# Allegro board LAY-27392_C.brd (continued)
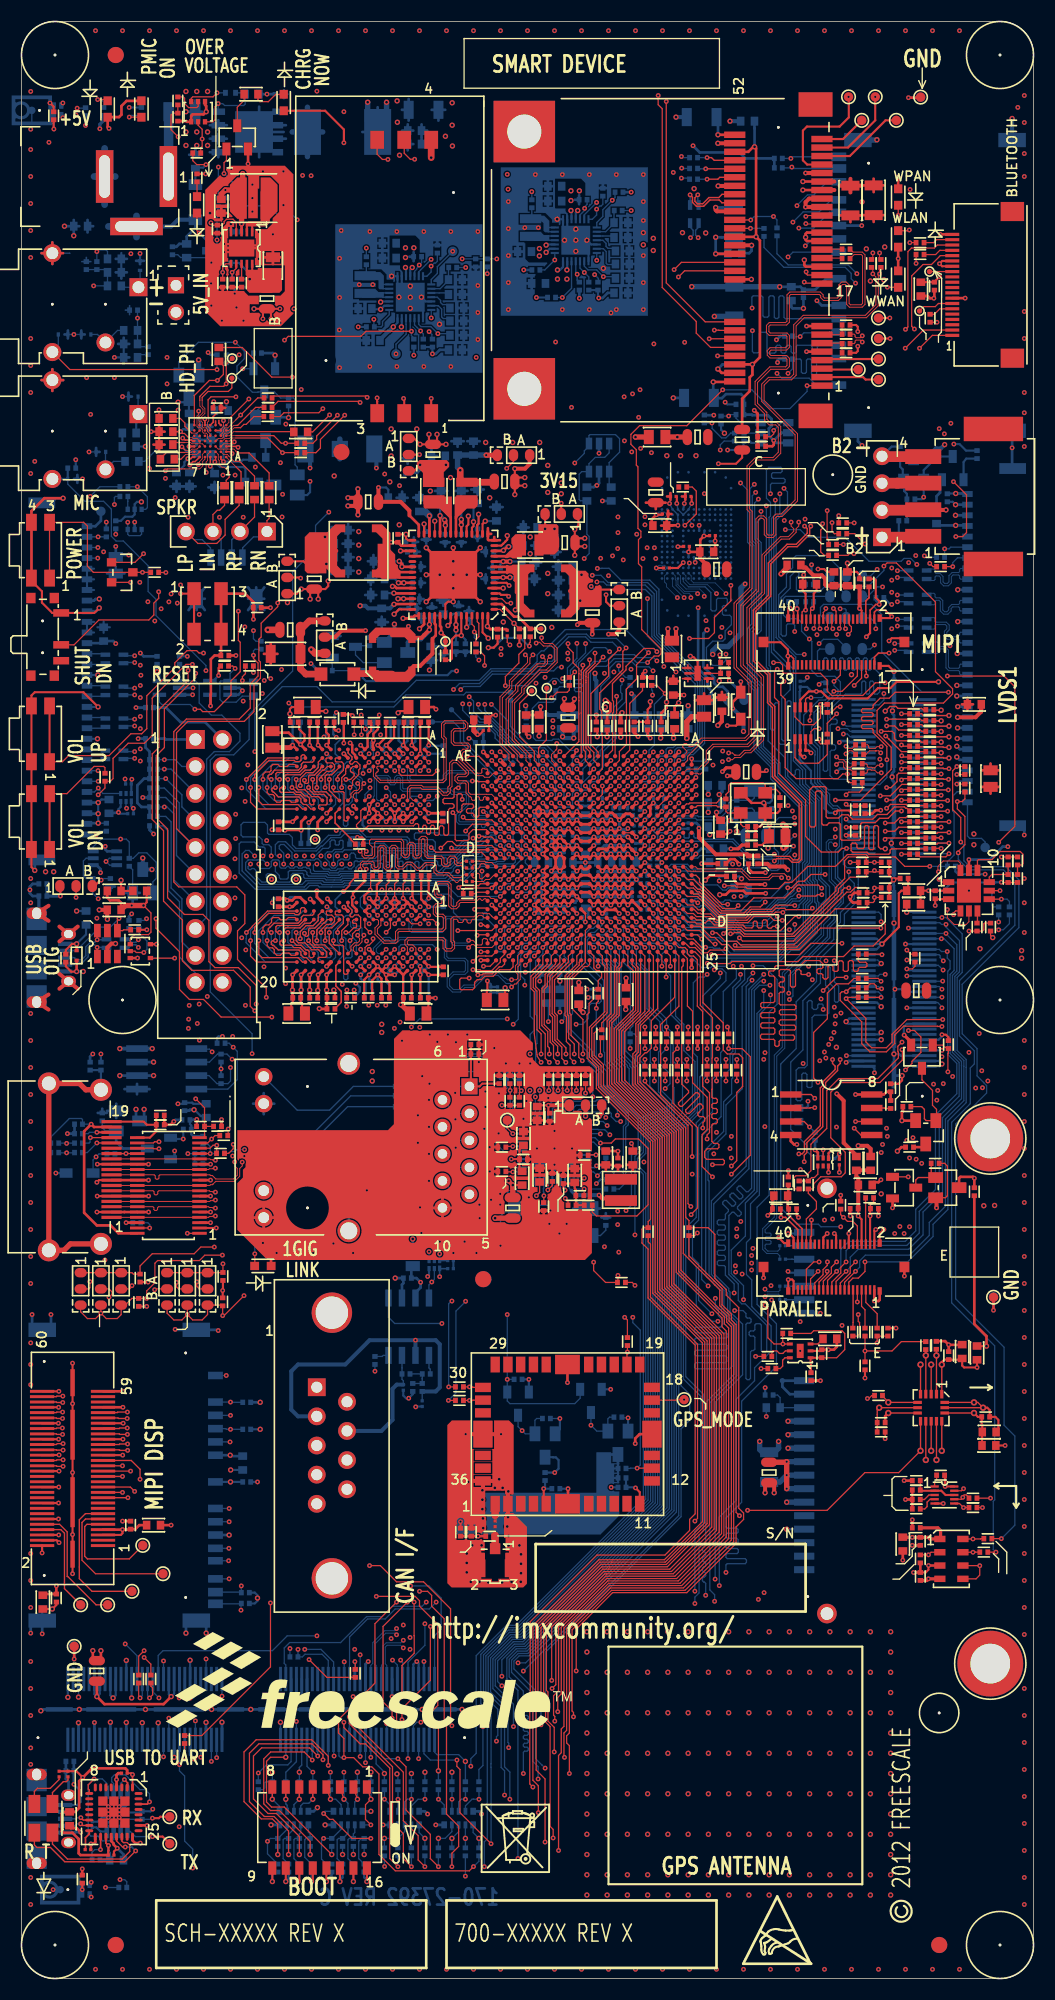
[diagram p0: board, top side]
## Nets (continued)
BATT_VSENSE_PWR: Q507.3(DRAIN) Q508.1(GATE) R575.2
BATTERY_1: C526.1 CON2.4 CON3.4 R565.1 U502.20(BAT2) U502.21(BAT1)
BATTERY_2: C527.1 CON2.1 CON3.1 R577.1 U503.20(BAT2) U503.21(BAT1)
BCH1_BST: C512.1 U502.6(BST)
BCH1_CS: L502.2 U502.25(CS1) U502.26(CS2)
BCH1_CT: C517.1 U502.10(CT)
BCH1_DCM: R515.2 U502.5(DCM)
BCH1_IDC: R527.1 U502.11(IDC)
BCH1_ISET: R530.1 U502.13(ISET)
BCH1_IUSB: R513.1 R534.2 U502.7(IUSB)
BCH1_LX: C512.2 L502.1 U502.27(LX1) U502.28(LX2)
BCH1_USB: R535.2 U502.17(USB)
BCH1_VL: C514.1 R518.1 U502.9(VL)
BCH2_BST: C513.1 U503.6(BST)
BCH2_CS: L503.2 U503.25(CS1) U503.26(CS2)
BCH2_CT: C518.1 U503.10(CT)
BCH2_DCM: R516.2 U503.5(DCM)
BCH2_IDC: R528.1 U503.11(IDC)
BCH2_ISET: R531.1 U503.13(ISET)
BCH2_IUSB: R514.1 R537.2 U503.7(IUSB)
BCH2_LX: C513.2 L503.1 U503.27(LX1) U503.28(LX2)
BCH2_USB: R538.2 U503.17(USB)
BCH2_VL: C515.1 R519.1 U503.9(VL)
BCLK1: R14.2 U7.E1(BCLK)
BOOT_MODE0: R108.1 R109.2 U1.C12(BOOT_MODE0)
BOOT_MODE1: R105.1 R106.2 U1.F12(BOOT_MODE1)
BT_CFG1_0: R702.1 R719.2 RN503.9
BT_CFG1_1: R701.1 R718.2 RN503.8
BT_CFG1_2: R700.1 R717.2 RN503.7
BT_CFG1_3: R699.1 R716.2 RN503.6
BT_CFG1_4: R690.1 RN503.4 SW6.5
BT_CFG1_5: R691.1 RN503.3 SW6.6
BT_CFG1_6: R692.1 RN503.2 SW6.7
BT_CFG1_7: R693.1 RN503.1 SW6.8
BT_CFG2_0: R698.1 R715.2 RN502.9
BT_CFG2_1: R697.1 R714.2 RN502.8
BT_CFG2_2: R696.1 R713.2 RN502.7
BT_CFG2_3: R686.1 RN502.6 SW6.1
BT_CFG2_4: R687.1 RN502.4 SW6.2
BT_CFG2_5: R688.1 RN502.3 SW6.3
BT_CFG2_6: R689.1 RN502.2 SW6.4
BT_CFG2_7: R695.1 R712.2 RN502.1
BT_CFG3_0: R710.1 RN501.9
BT_CFG3_1: R709.1 RN501.8
BT_CFG3_2: R708.1 RN501.7
BT_CFG3_3: R707.1 RN501.6
BT_CFG3_4: R682.1 RN501.4
BT_CFG3_5: R683.1 RN501.3
BT_CFG3_6: R684.1 RN501.2
BT_CFG3_7: R685.1 RN501.1
BT_CFG4_0: R706.1 RN500.9
BT_CFG4_1: R705.1 RN500.8
BT_CFG4_2: R704.1 RN500.7
BT_CFG4_3: R703.1 RN500.6
BT_CFG4_4: R678.1 RN500.4
BT_CFG4_5: R679.1 RN500.3
BT_CFG4_6: R680.1 RN500.2
BT_CFG4_7: R681.1 RN500.1
BT_DISABLE: J13.1 R212.2
BT_HOST_WAKE: J13.7 TP29.1(PIN1)
BT_PWD_L: J13.6 R209.2
BT_UART_CTS: J13.17 R210.2
BT_UART_RTS: J13.19 R211.2
BT_UART_RXD: J13.16 R214.2
BT_UART_TXD: J13.18 R215.2
BT_WAKEUP: J13.2 R213.2
CABC_EN0: J503.1 R614.2 U1.A17(NANDF_CS2)
CABC_EN1: J502.1 R574.2 U1.D16(NANDF_CS3)
CAM2_1V5: C30.1 C587.1 J5.36(P36) R726.2
CAM_1V5: C101.1 C105.1 J9.36(P36) R157.2
CAN1_OUT: U517.2(A) U518.4(RXD)
CAN1_RX: R69.2 U517.4(B)
CAN1_STBY: R661.2 U518.8(STB)
CAN1_TX: R114.2 U518.1(TXD)
CAN_5V: C755.1 R660.2 U518.3(VCC)
CAN_SPLIT: R662.2 U518.5(SPLIT)
CAN_SPLT: C758.1 R662.1 R663.1 R665.1
CANH: C759.1 J10.7 R663.2 U518.7(CANH)
CANL: C760.1 J10.2 R665.2 U518.6(CANL)
CAP_TCH_INT0: J503.29 R579.2 U1.A16(NANDF_ALE)
CAP_TCH_INT1: J502.29 R616.2 U1.C15(NANDF_CLE)
CEC_BCK_PRO: D504.C(CATHODE) R655.2
CGND3: C747.2 J7.SH1 J7.SH2 R658.1
CHG_FLT1_B: R138.1 R536.2 U502.18(F\L\T\)
CHG_FLT2_B: R121.1 R539.2 U503.18(F\L\T\)
CHG_NW_LED_A: Q501.3(COLLECTOR) R305.2
CHG_NW_LED_B: D3.C(CATHODE) R305.1
CHG_NW_LED_EN: Q501.1(BASE) R523.2
CHG_STATUS1_B: R139.1 R532.2 U502.22(C\H\G\)
CHG_STATUS2_B: R133.1 R533.2 U503.22(C\H\G\)
CLK1_N: C12.1 U1.C7(CLK1_N)
CLK1_P: C11.1 U1.D7(CLK1_P)
CLKOUT2: TP11.1(PIN1) U7.E4(CLKOUT2/GPIO2)
CLKOUT5: TP10.1(PIN1) U7.G6(CLKOUT5)
CODEC_I2C_CLK: R12.2 U7.F1(SCLK)
CODEC_I2C_DAT: R11.2 U7.E2(SDA)
CODEC_PWR_EN: Q504.1(GATE) R725.1 U1.W6(KEY_COL2)
COMP_CAPA: C112.1 U20.1(CAP_A)
COMP_CAPR: C114.1 U20.4(CAP_R)
COMP_INT: R168.1 R217.1 U20.9(INT1)
COMP_NC: R199.1 U20.3(NC)
COMS2_1V8: J5.6(P6) R26.2
COMS2_2V8: C28.1 C29.1 J5.8(P8) L10.1 L25.1
COMS_1V8: J9.6(P6) R162.2
COMS_2V8: C100.1 C102.1 J9.8(P8) L17.1 L26.1
COMS_3V3: J9.10(P10) R165.2
CPCA: C18.1 U7.B6(CPCA)
CPCB: C18.2 U7.B7(CPCB)
CPU_XTALI: C55.1 R75.1 R216.1 U1.A7(XTALI) Y1.1
CPU_XTALO: C51.1 R75.2 U1.B7(XTALO) Y1.3
CPUPWRON: D4.3(C) R22.2 SW1.1 SW1.3
CPVOUTN: C548.1 U7.A7(CPVOUTN)
CPVOUTP: C547.1 U7.A6(CPVOUTP)
CSI0_DAT12: J9.33(P33) J504.26 U1.M2(CSI0_DAT12)
CSI0_DAT13: J9.31(P31) J504.28 U1.L1(CSI0_DAT13)
CSI0_DAT14: J9.29(P29) J504.32 U1.M4(CSI0_DAT14)
CSI0_DAT15: J9.27(P27) J504.34 U1.M5(CSI0_DAT15)
CSI0_DAT16: J9.25(P25) J504.44 U1.L4(CSI0_DAT16)
CSI0_DAT17: J9.23(P23) J504.46 U1.L3(CSI0_DAT17)
CSI0_DAT18: J9.21(P21) J504.50 U1.M6(CSI0_DAT18)
CSI0_DAT19: J9.19(P19) J504.52 U1.L6(CSI0_DAT19)
CSI0_HSYNCH: J9.15(P15) J504.56 U1.P4(CSI0_MCLK)
CSI0_PIXCLK: J504.35 R180.1 U1.P1(CSI0_PIXCLK)
CSI0_PWN: J9.17(P17) J504.53 U1.A21(SD1_DAT0)
CSI0_RST_B: J9.9(P9) J504.59 U1.C20(SD1_DAT1)
CSI0_SCL: J9.7(P7) R181.2
CSI0_SDA: J9.5(P5) R182.2
CSI0_VSYNCH: J9.13(P13) J504.58 U1.N2(CSI0_VSYNC)
CSI2_SCL: R53.2 U10.1(B2)
CSI2_SDA: R39.2 U10.8(B1)
CSI_CLK0M: J5.24(P24) U1.F4(CSI_CLK0M)
CSI_CLK0P: J5.22(P22) U1.F3(CSI_CLK0P)
CSI_D0M: J5.30(P30) U1.E4(CSI_D0M)
CSI_D0P: J5.28(P28) U1.E3(CSI_D0P)
CSI_D1M: J5.18(P18) U1.D1(CSI_D1M)
CSI_D1P: J5.16(P16) U1.D2(CSI_D1P)
CSI_I2C_EN: SH501.2 U10.6(OE)
CSI_MCLK: J5.34(P34) J9.34(P34) R159.1
CSI_PIXCLK: J9.11(P11) R180.2
CSI_PWN: J5.17(P17) U1.E19(SD1_DAT2)
CSI_REXT: R605.1 U1.D4(CSI_REXT)
CSI_RST_B: J5.9(P9) U1.D20(SD1_CLK)
CSI_SCL: J5.7(P7) U10.4(A2)
CSI_SDA: J5.5(P5) U10.5(A1)
CSPI1_CLK: R590.2 U1.W5(KEY_COL0)
CSPI1_CS0: R583.2 U1.U6(KEY_ROW1)
CSPI1_MISO: R584.2 U1.U7(KEY_COL1)
CSPI1_MOSI: R586.2 U1.V6(KEY_ROW0)
DACDAT1: R18.2 U7.D1(DACDAT)
DBG_OUT_3V3: C126.1 U22.16(3V3OUT)
DBG_RXLED: D12.1(ANODE1) R206.2
DBG_TXLED: D12.3(ANODE2) R207.2
DBUG_5V: C125.1 C127.1 C768.1 L24.1 R206.1 R207.1 R711.1 U22.1(VCCIO) U22.19(VCC)
DBUG_RST: R711.2 U22.18(RESET#)
DBUG_SHL_GND: C766.1 J509.S1(SHLD1) J509.S2(SHLD2) J509.S3(SHLD3) J509.S4(SHLD4) R677.1
DBUG_USB_DM: J509.2(P2) U22.15(USBDM)
DBUG_USB_DP: J509.3(P3) U22.14(USBDP)
DBUG_VBUS: J509.1(P1) L24.2
DDR_1V5: C24.1 C35.1 C36.1 C37.1 C38.1 C41.1 C42.1 C43.1 C44.1 C45.1 C46.1 C48.1 C49.1 C52.1 C53.1 C57.1 C58.1 C59.1 C64.1 C67.1 C70.1 C71.1 C73.1 C74.1 C75.1 C76.1 C77.1 C78.1 C79.1 C613.1 C614.1 C615.1 C616.1 C617.1 C619.1 C620.1 C647.1 C650.1 C662.1 C664.1 C665.1 C666.1 C675.1 C683.1 C696.1 C708.1 C715.1 C718.1 C720.1 C721.1 C722.1 C727.1 C728.1 C731.1 C732.1 C733.1 C735.1 C736.1 C737.1 R25.2 SH12.1 U1.R18(NVCC_DRAM_1) U1.T18(NVCC_DRAM_2) U1.U18(NVCC_DRAM_3) U1.V9(NVCC_DRAM_13) U1.V10(NVCC_DRAM_4) U1.V11(NVCC_DRAM_5) U1.V12(NVCC_DRAM_6) U1.V13(NVCC_DRAM_7) U1.V14(NVCC_DRAM_8) U1.V15(NVCC_DRAM_9) U1.V16(NVCC_DRAM_10) U1.V17(NVCC_DRAM_11) U1.V18(NVCC_DRAM_12) U2.A1(VDDQ1) U2.A8(VDDQ2) U2.B2(VDD1) U2.C1(VDDQ3) U2.C9(VDDQ4) U2.D2(VDDQ5) U2.D9(VDD2) U2.E9(VDDQ6) U2.F1(VDDQ7) U2.G7(VDD3) U2.H2(VDDQ8) U2.H9(VDDQ9) U2.K2(VDD4) U2.K8(VDD5) U2.N1(VDD6) U2.N9(VDD7) U2.R1(VDD8) U2.R9(VDD9) U3.A1(VDDQ1) U3.A8(VDDQ2) U3.B2(VDD1) U3.C1(VDDQ3) U3.C9(VDDQ4) U3.D2(VDDQ5) U3.D9(VDD2) U3.E9(VDDQ6) U3.F1(VDDQ7) U3.G7(VDD3) U3.H2(VDDQ8) U3.H9(VDDQ9) U3.K2(VDD4) U3.K8(VDD5) U3.N1(VDD6) U3.N9(VDD7) U3.R1(VDD8) U3.R9(VDD9) U4.A1(VDDQ1) U4.A8(VDDQ2) U4.B2(VDD1) U4.C1(VDDQ3) U4.C9(VDDQ4) U4.D2(VDDQ5) U4.D9(VDD2) U4.E9(VDDQ6) U4.F1(VDDQ7) U4.G7(VDD3) U4.H2(VDDQ8) U4.H9(VDDQ9) U4.K2(VDD4) U4.K8(VDD5) U4.N1(VDD6) U4.N9(VDD7) U4.R1(VDD8) U4.R9(VDD9) U5.A1(VDDQ1) U5.A8(VDDQ2) U5.B2(VDD1) U5.C1(VDDQ3) U5.C9(VDDQ4) U5.D2(VDDQ5) U5.D9(VDD2) U5.E9(VDDQ6) U5.F1(VDDQ7) U5.G7(VDD3) U5.H2(VDDQ8) U5.H9(VDDQ9) U5.K2(VDD4) U5.K8(VDD5) U5.N1(VDD6) U5.N9(VDD7) U5.R1(VDD8) U5.R9(VDD9) U8.30(VINREFDDR)
DDR_FB: SH12.2 U8.38(SW3AFB)
DDR_SDCLK0: SH21.1 U1.AD15(DRAM_SDCLK_0)
DDR_SDCLK0_B: SH20.1 U1.AE15(D\R\A\M\_\S\D\C\L\K\_\0\)
DDR_SDCLK1: SH18.1 U1.AD14(DRAM_SDCLK_1)
DDR_SDCLK1_B: SH19.1 U1.AE14(D\R\A\M\_\S\D\C\L\K\_\1\)
DDR_VREF: C47.1 C56.1 C72.1 C570.1 C618.1 C621.1 C653.1 C717.1 C734.1 U1.AC2(DRAM_VREF) U2.H1(VREFDQ) U2.M8(VREFCA) U3.H1(VREFDQ) U3.M8(VREFCA) U4.H1(VREFDQ) U4.M8(VREFCA) U5.H1(VREFDQ) U5.M8(VREFCA) U8.31(VREFDDR)
DEC_3V3: C113.1 R197.2 U20.2(VDD) U20.8(VDDIO)
DEC_SCK: R198.2 U20.7(SCL)
DEC_SDA: R200.2 U20.6(SDA)
DI0_D0_CS: J504.105 R132.1
DI0_D1_CS: J504.107 R122.1
DI0_PIN2: R41.1 U1.N25(DI0_PIN2)
DI0_PIN3: R44.1 U1.N20(DI0_PIN3)
DI0_PIN4: R42.1 U1.P25(DI0_PIN4)
DI0_PIN15: R40.1 U1.N21(DI0_PIN15)
DISP0_BAT: J504.65 J504.67 J504.69 J504.71 R83.2
DISP0_CLK: J504.43 R113.2
DISP0_CNTRST: J504.112 R42.2
DISP0_CONTRAST: J11.19 J502.5 J503.5 U514.4(B)
DISP0_DAT0: J504.62 R91.2
DISP0_DAT1: J504.64 R90.2
DISP0_DAT2: J504.66 R88.2
DISP0_DAT3: J504.68 R86.2
DISP0_DAT4: J504.70 R84.2
DISP0_DAT5: J504.72 R82.2
DISP0_DAT6: J504.74 R81.2
DISP0_DAT7: J504.76 R80.2
DISP0_DAT8: J504.78 R79.2
DISP0_DAT9: J504.80 R76.2
DISP0_DAT10: J504.82 R74.2
DISP0_DAT11: J504.84 R73.2
DISP0_DAT12: J504.86 R72.2
DISP0_DAT13: J504.88 R70.2
DISP0_DAT14: J504.90 R67.2
DISP0_DAT15: J504.92 R65.2
DISP0_DAT16: J504.94 R62.2
DISP0_DAT17: J504.96 R60.2
DISP0_DAT18: J504.98 R59.2
DISP0_DAT19: J504.100 R57.2
DISP0_DAT20: J504.102 R56.2
DISP0_DAT21: J504.104 R54.2
DISP0_DAT22: J504.106 R52.2
DISP0_DAT23: J504.108 R51.2
DISP0_DRDY: J504.116 R40.2
DISP0_HSYNCH: J504.114 R41.2
DISP0_PWM: U1.F18(SD1_DAT3) U514.2(A)
DISP0_PWR: J504.11 J504.13 J504.39 J504.41 SH22.2
DISP0_PWR_EN: J504.79 R77.2 R78.1 U1.U20(ENET_TXD0)
DISP0_RD: J504.117 R135.1
DISP0_RST_B: R115.1 R120.1
DISP0_SER_RS: J504.91 R69.1 U1.R5(GPIO_8)
DISP0_VSYNCH: J504.110 R44.2
DISP0_WR: J504.109 U1.E15(N\A\N\D\F\_\W\P\)
DISP_PWR_EN: J11.31 U1.C16(NANDF_CS1)
DISP_RST_B: J11.29 U1.F15(NANDF_CS0)
DMIC_DAT: SH500.2 SH506.2 U7.G1(GPIO5)
DMIC_DAT1: SH500.1 U501.5(DATA)
DMIC_DAT2: SH506.1 U521.5(DATA)
DMICCLK: U7.F4(CLKOUT3/GPIO3) U510.1(A1) U510.3(A2)
DMICCLK1: R569.1 U501.1(CLK)
DMICCLK1R: R569.2 U510.6(Y1)
DMICCLK2: R573.1 U521.1(CLK)
DMICCLK2R: R573.2 U510.4(Y2)
DOK_B: R512.2 R627.1 U502.8(D\O\K\)
DRAM0_ZQ: R89.1 U3.L8(ZQ)
DRAM1_ZQ: R599.1 U5.L8(ZQ)
DRAM2_ZQ: R119.1 U2.L8(ZQ)
DRAM3_ZQ: R99.1 U4.L8(ZQ)
DRAM_A0: T12.1(PIN1) T32.1(PIN1) T62.1(PIN1) U1.AC14(DRAM_A0) U2.N3(A0) U3.N3(A0) U4.N3(A0) U5.N3(A0)
DRAM_A1: T19.1(PIN1) T43.1(PIN1) T69.1(PIN1) U1.AB14(DRAM_A1) U2.P7(A1) U3.P7(A1) U4.P7(A1) U5.P7(A1)
DRAM_A2: T5.1(PIN1) T30.1(PIN1) T55.1(PIN1) U1.AA14(DRAM_A2) U2.P3(A2) U3.P3(A2) U4.P3(A2) U5.P3(A2)
DRAM_A3: T13.1(PIN1) T44.1(PIN1) T63.1(PIN1) U1.Y14(DRAM_A3) U2.N2(A3) U3.N2(A3) U4.N2(A3) U5.N2(A3)
DRAM_A4: T17.1(PIN1) T41.1(PIN1) T67.1(PIN1) U1.W14(DRAM_A4) U2.P8(A4) U3.P8(A4) U4.P8(A4) U5.P8(A4)
DRAM_A5: T3.1(PIN1) T28.1(PIN1) T53.1(PIN1) U1.AE13(DRAM_A5) U2.P2(A5) U3.P2(A5) U4.P2(A5) U5.P2(A5)
DRAM_A6: T15.1(PIN1) T39.1(PIN1) T65.1(PIN1) U1.AC13(DRAM_A6) U2.R8(A6) U3.R8(A6) U4.R8(A6) U5.R8(A6)
DRAM_A7: T1.1(PIN1) T26.1(PIN1) T51.1(PIN1) U1.Y13(DRAM_A7) U2.R2(A7) U3.R2(A7) U4.R2(A7) U5.R2(A7)
DRAM_A8: T14.1(PIN1) T38.1(PIN1) T64.1(PIN1) U1.AB13(DRAM_A8) U2.T8(A8) U3.T8(A8) U4.T8(A8) U5.T8(A8)
DRAM_A9: T4.1(PIN1) T29.1(PIN1) T54.1(PIN1) U1.AE12(DRAM_A9) U2.R3(A9) U3.R3(A9) U4.R3(A9) U5.R3(A9)
DRAM_A10: T9.1(PIN1) T35.1(PIN1) T59.1(PIN1) U1.AA15(DRAM_A10) U2.L7(A10/AP) U3.L7(A10/AP) U4.L7(A10/AP) U5.L7(A10/AP)
DRAM_A11: T18.1(PIN1) T42.1(PIN1) T68.1(PIN1) U1.AC12(DRAM_A11) U2.R7(A11) U3.R7(A11) U4.R7(A11) U5.R7(A11)
DRAM_A12: T6.1(PIN1) T31.1(PIN1) T56.1(PIN1) U1.AD12(DRAM_A12) U2.N7(A12/B\C\) U3.N7(A12/B\C\) U4.N7(A12/B\C\) U5.N7(A12/B\C\)
DRAM_A13: T2.1(PIN1) T27.1(PIN1) T52.1(PIN1) U1.AC17(DRAM_A13) U2.T3(A13) U3.T3(A13) U4.T3(A13) U5.T3(A13)
DRAM_A14: T16.1(PIN1) T40.1(PIN1) T66.1(PIN1) U1.AA12(DRAM_A14) U2.T7(NC_T7) U3.T7(NC_T7) U4.T7(NC_T7) U5.T7(NC_T7)
DRAM_A15: T7.1(PIN1) T33.1(PIN1) T57.1(PIN1) U1.Y12(DRAM_A15) U2.M7(NC_M7) U3.M7(NC_M7) U4.M7(NC_M7) U5.M7(NC_M7)
DRAM_CAS_B: T24.1(PIN1) T49.1(PIN1) T74.1(PIN1) U1.AE16(DRAM_CAS) U2.K3(C\A\S\) U3.K3(C\A\S\) U4.K3(C\A\S\) U5.K3(C\A\S\)
DRAM_CS0_B: T10.1(PIN1) T36.1(PIN1) T60.1(PIN1) U1.Y16(DRAM_CS0) U2.L2(C\S\) U3.L2(C\S\) U4.L2(C\S\) U5.L2(C\S\)
DRAM_D0: U1.AD2(DRAM_D0) U3.E3(DQ0)
DRAM_D1: U1.AE2(DRAM_D1) U3.F8(DQ3)
DRAM_D2: U1.AC4(DRAM_D2) U3.G2(DQ6)
DRAM_D3: U1.AA5(DRAM_D3) U3.H3(DQ4)
DRAM_D4: U1.AC1(DRAM_D4) U3.F2(DQ2)
DRAM_D5: U1.AD1(DRAM_D5) U3.F7(DQ1)
DRAM_D6: U1.AB4(DRAM_D6) U3.H7(DQ7)
DRAM_D7: U1.AE4(DRAM_D7) U3.H8(DQ5)
DRAM_D8: U1.AD5(DRAM_D8) U3.D7(DQ8)
DRAM_D9: U1.AE5(DRAM_D9) U3.A7(DQ12)
DRAM_D10: U1.AA6(DRAM_D10) U3.C2(DQ11)
DRAM_D11: U1.AE7(DRAM_D11) U3.B8(DQ14)
DRAM_D12: U1.AB5(DRAM_D12) U3.A2(DQ13)
DRAM_D13: U1.AC5(DRAM_D13) U3.A3(DQ15)
DRAM_D14: U1.AB6(DRAM_D14) U3.C3(DQ9)
DRAM_D15: U1.AC7(DRAM_D15) U3.C8(DQ10)
DRAM_D16: U1.AB7(DRAM_D16) U5.D7(DQ8)
DRAM_D17: U1.AA8(DRAM_D17) U5.C8(DQ10)
DRAM_D18: U1.AB9(DRAM_D18) U5.C2(DQ11)
DRAM_D19: U1.Y9(DRAM_D19) U5.A2(DQ13)
DRAM_D20: U1.Y7(DRAM_D20) U5.A7(DQ12)
DRAM_D21: U1.Y8(DRAM_D21) U5.B8(DQ14)
DRAM_D22: U1.AC8(DRAM_D22) U5.C3(DQ9)
DRAM_D23: U1.AA9(DRAM_D23) U5.A3(DQ15)
DRAM_D24: U1.AE9(DRAM_D24) U5.E3(DQ0)
DRAM_D25: U1.Y10(DRAM_D25) U5.F8(DQ3)
DRAM_D26: U1.AE11(DRAM_D26) U5.H3(DQ4)
DRAM_D27: U1.AB11(DRAM_D27) U5.G2(DQ6)
DRAM_D28: U1.AC9(DRAM_D28) U5.F7(DQ1)
DRAM_D29: U1.AD9(DRAM_D29) U5.F2(DQ2)
DRAM_D30: U1.AD11(DRAM_D30) U5.H7(DQ7)
DRAM_D31: U1.AC11(DRAM_D31) U5.H8(DQ5)
DRAM_D32: U1.AA17(DRAM_D32) U2.E3(DQ0)
DRAM_D33: U1.AA18(DRAM_D33) U2.G2(DQ6)
DRAM_D34: U1.AC18(DRAM_D34) U2.H8(DQ5)
DRAM_D35: U1.AE19(DRAM_D35) U2.F2(DQ2)
DRAM_D36: U1.Y17(DRAM_D36) U2.H3(DQ4)
DRAM_D37: U1.Y18(DRAM_D37) U2.H7(DQ7)
DRAM_D38: U1.AB19(DRAM_D38) U2.F8(DQ3)
DRAM_D39: U1.AC19(DRAM_D39) U2.F7(DQ1)
DRAM_D40: U1.Y19(DRAM_D40) U2.D7(DQ8)
DRAM_D41: U1.AB20(DRAM_D41) U2.A3(DQ15)
DRAM_D42: U1.AB21(DRAM_D42) U2.C8(DQ10)
DRAM_D43: U1.AD21(DRAM_D43) U2.C3(DQ9)
DRAM_D44: U1.Y20(DRAM_D44) U2.A2(DQ13)
DRAM_D45: U1.AA20(DRAM_D45) U2.B8(DQ14)
DRAM_D46: U1.AE21(DRAM_D46) U2.C2(DQ11)
DRAM_D47: U1.AC21(DRAM_D47) U2.A7(DQ12)
DRAM_D48: U1.AC22(DRAM_D48) U4.D7(DQ8)
DRAM_D49: U1.AE22(DRAM_D49) U4.A7(DQ12)
DRAM_D50: U1.AE24(DRAM_D50) U4.A3(DQ15)
DRAM_D51: U1.AC24(DRAM_D51) U4.C3(DQ9)
DRAM_D52: U1.AB22(DRAM_D52) U4.B8(DQ14)
DRAM_D53: U1.AC23(DRAM_D53) U4.C8(DQ10)
DRAM_D54: U1.AD25(DRAM_D54) U4.A2(DQ13)
DRAM_D55: U1.AC25(DRAM_D55) U4.C2(DQ11)
DRAM_D56: U1.AB25(DRAM_D56) U4.E3(DQ0)
DRAM_D57: U1.AA21(DRAM_D57) U4.F8(DQ3)
DRAM_D58: U1.Y25(DRAM_D58) U4.G2(DQ6)
DRAM_D59: U1.Y22(DRAM_D59) U4.H8(DQ5)
DRAM_D60: U1.AB23(DRAM_D60) U4.F7(DQ1)
DRAM_D61: U1.AA23(DRAM_D61) U4.H7(DQ7)
DRAM_D62: U1.Y23(DRAM_D62) U4.F2(DQ2)
DRAM_D63: U1.W25(DRAM_D63) U4.H3(DQ4)
DRAM_DQM0: U1.AC3(DRAM_DQM0) U3.E7(LDM)
DRAM_DQM1: U1.AC6(DRAM_DQM1) U3.D3(UDM)
DRAM_DQM2: U1.AB8(DRAM_DQM2) U5.D3(UDM)
DRAM_DQM3: U1.AE10(DRAM_DQM3) U5.E7(LDM)
DRAM_DQM4: U1.AB18(DRAM_DQM4) U2.E7(LDM)
DRAM_DQM5: U1.AC20(DRAM_DQM5) U2.D3(UDM)
DRAM_DQM6: U1.AD24(DRAM_DQM6) U4.D3(UDM)
DRAM_DQM7: U1.Y21(DRAM_DQM7) U4.E7(LDM)
DRAM_RAS_B: T11.1(PIN1) T37.1(PIN1) T61.1(PIN1) U1.AB15(DRAM_RAS) U2.J3(R\A\S\) U3.J3(R\A\S\) U4.J3(R\A\S\) U5.J3(R\A\S\)
DRAM_RESET_B: R602.2 U1.Y6(DRAM_RESET) U2.T2(R\E\S\E\T\) U3.T2(R\E\S\E\T\) U4.T2(R\E\S\E\T\) U5.T2(R\E\S\E\T\)
DRAM_SDBA0: T8.1(PIN1) T34.1(PIN1) T58.1(PIN1) U1.AC15(DRAM_SDBA0) U2.M2(BA0) U3.M2(BA0) U4.M2(BA0) U5.M2(BA0)
DRAM_SDBA1: T20.1(PIN1) T45.1(PIN1) T70.1(PIN1) U1.Y15(DRAM_SDBA1) U2.N8(BA1) U3.N8(BA1) U4.N8(BA1) U5.N8(BA1)
DRAM_SDBA2: T21.1(PIN1) T46.1(PIN1) T71.1(PIN1) U1.AB12(DRAM_SDBA2) U2.M3(BA2) U3.M3(BA2) U4.M3(BA2) U5.M3(BA2)
DRAM_SDCKE0: R635.1 T23.1(PIN1) T48.1(PIN1) T73.1(PIN1) U1.Y11(DRAM_SDCKE0) U2.K9(CKE) U3.K9(CKE) U4.K9(CKE) U5.K9(CKE)
DRAM_SDCLK0: R118.1 SH21.2 U2.J7(CK) U4.J7(CK)
DRAM_SDCLK0_B: R118.2 SH20.2 U2.K7(C\K\) U4.K7(C\K\)
DRAM_SDCLK1: R43.1 SH18.2 U3.J7(CK) U5.J7(CK)
DRAM_SDCLK1_B: R43.2 SH19.2 U3.K7(C\K\) U5.K7(C\K\)
DRAM_SDODT0: T25.1(PIN1) T50.1(PIN1) T75.1(PIN1) U1.AC16(DRAM_SDODT0) U2.K1(ODT) U3.K1(ODT) U4.K1(ODT) U5.K1(ODT)
DRAM_SDQS0: U1.AE3(DRAM_SDQS0) U3.F3(LDQS)
DRAM_SDQS0_B: U1.AD3(D\R\A\M\_\S\D\Q\S\0\) U3.G3(L\D\Q\S\)
DRAM_SDQS1: U1.AD6(DRAM_SDQS1) U3.C7(UDQS)
DRAM_SDQS1_B: U1.AE6(D\R\A\M\_\S\D\Q\S\1\) U3.B7(U\D\Q\S\)
DRAM_SDQS2: U1.AD8(DRAM_SDQS2) U5.C7(UDQS)
DRAM_SDQS2_B: U1.AE8(D\R\A\M\_\S\D\Q\S\2\) U5.B7(U\D\Q\S\)
DRAM_SDQS3: U1.AC10(DRAM_SDQS3) U5.F3(LDQS)
DRAM_SDQS3_B: U1.AB10(D\R\A\M\_\S\D\Q\S\3\) U5.G3(L\D\Q\S\)
DRAM_SDQS4: U1.AD18(DRAM_SDQS4) U2.F3(LDQS)
DRAM_SDQS4_B: U1.AE18(D\R\A\M\_\S\D\Q\S\4\) U2.G3(L\D\Q\S\)
DRAM_SDQS5: U1.AD20(DRAM_SDQS5) U2.C7(UDQS)
DRAM_SDQS5_B: U1.AE20(D\R\A\M\_\S\D\Q\S\5\) U2.B7(U\D\Q\S\)
DRAM_SDQS6: U1.AD23(DRAM_SDQS6) U4.C7(UDQS)
DRAM_SDQS6_B: U1.AE23(D\R\A\M\_\S\D\Q\S\6\) U4.B7(U\D\Q\S\)
DRAM_SDQS7: U1.AA25(DRAM_SDQS7) U4.F3(LDQS)
DRAM_SDQS7_B: U1.AA24(D\R\A\M\_\S\D\Q\S\7\) U4.G3(L\D\Q\S\)
DRAM_WE_B: T22.1(PIN1) T47.1(PIN1) T72.1(PIN1) U1.AB16(DRAM_SDWE) U2.L3(W\E\) U3.L3(W\E\) U4.L3(W\E\) U5.L3(W\E\)
DSI_CLK0M: J11.43 U1.H3(DSI_CLK0M)
DSI_CLK0P: J11.45 U1.H4(DSI_CLK0P)
DSI_D0M: J11.49 U1.G2(DSI_D0M)
DSI_D0P: J11.51 U1.G1(DSI_D0P)
DSI_D1M: J11.37 U1.H2(DSI_D1M)
DSI_D1P: J11.39 U1.H1(DSI_D1P)
DSI_REXT: R38.1 U1.G4(DSI_REXT)
DSP0_CLK: R113.1 U1.N19(DI0_DISP_CLK)
DSP0_DAT0: R91.1 U1.P24(DISP0_DAT0)
DSP0_DAT1: R90.1 U1.P22(DISP0_DAT1)
DSP0_DAT2: R88.1 U1.P23(DISP0_DAT2)
DSP0_DAT3: R86.1 U1.P21(DISP0_DAT3)
DSP0_DAT4: R84.1 U1.P20(DISP0_DAT4)
DSP0_DAT5: R82.1 U1.R25(DISP0_DAT5)
DSP0_DAT6: R81.1 U1.R23(DISP0_DAT6)
DSP0_DAT7: R80.1 U1.R24(DISP0_DAT7)
DSP0_DAT8: R79.1 U1.R22(DISP0_DAT8)
DSP0_DAT9: R76.1 U1.T25(DISP0_DAT9)
DSP0_DAT10: R74.1 U1.R21(DISP0_DAT10)
DSP0_DAT11: R73.1 U1.T23(DISP0_DAT11)
DSP0_DAT12: R72.1 U1.T24(DISP0_DAT12)
DSP0_DAT13: R70.1 U1.R20(DISP0_DAT13)
DSP0_DAT14: R67.1 U1.U25(DISP0_DAT14)
DSP0_DAT15: R65.1 U1.T22(DISP0_DAT15)
DSP0_DAT16: R62.1 U1.T21(DISP0_DAT16)
DSP0_DAT17: R60.1 U1.U24(DISP0_DAT17)
DSP0_DAT18: R59.1 U1.V25(DISP0_DAT18)
DSP0_DAT19: R57.1 U1.U23(DISP0_DAT19)
DSP0_DAT20: R56.1 U1.U22(DISP0_DAT20)
DSP0_DAT21: R54.1 U1.T20(DISP0_DAT21)
DSP0_DAT22: R52.1 U1.V24(DISP0_DAT22)
DSP0_DAT23: R51.1 U1.W24(DISP0_DAT23)
EIM_A16: J508.43 R710.2 U1.H25(EIM_A16)
EIM_A17: J508.86 R709.2 U1.G24(EIM_A17)
EIM_A18: J508.88 R708.2 U1.J22(EIM_A18)
EIM_A19: J508.90 R707.2 U1.G25(EIM_A19)
EIM_A20: J508.92 R682.2 U1.H22(EIM_A20)
EIM_A21: J508.94 R683.2 U1.H23(EIM_A21)
EIM_A22: J508.96 R684.2 U1.F24(EIM_A22)
EIM_A23: J508.98 R685.2 U1.J21(EIM_A23)
EIM_A24: J508.100 R706.2 U1.F25(EIM_A24)
EIM_A25: J508.109 R138.2 U1.H19(EIM_A25)
EIM_BCLK: J508.112 R122.2 U1.N22(EIM_BCLK)
EIM_CS0: J508.118 U1.H24(EIM_CS0)
EIM_CS1: J508.53 R627.2 U1.J23(EIM_CS1)
EIM_D16: J508.89 R168.2 R218.2 U1.C25(EIM_D16)
EIM_D17: J508.85 U1.F21(EIM_D17)
EIM_D18: J508.87 R129.2 U1.D24(EIM_D18)
EIM_D19: J508.91 R123.2 U1.G21(EIM_D19)
EIM_D20: J508.33 U1.G20(EIM_D20)
EIM_D21: R125.2 U1.H20(EIM_D21)
EIM_D22: R137.2 U1.E23(EIM_D22)
EIM_D23: J508.63 R139.2 U1.D25(EIM_D23)
EIM_D24: R127.2 U1.F22(EIM_D24)
EIM_D25: R126.2 U1.G22(EIM_D25)
EIM_D26: J508.106 R128.2 U1.E24(EIM_D26)
EIM_D27: J508.108 U1.E25(EIM_D27)
EIM_D28: J508.119 R135.2 U1.G23(EIM_D28)
EIM_D30: J508.104 R134.2 R728.1 U1.J20(EIM_D30)
EIM_D31: J508.40 J508.102 U1.H21(EIM_D31)
EIM_DA0: J508.38 J508.80 R131.2 R702.2 U1.L20(EIM_DA0)
EIM_DA1: J508.78 R701.2 U1.J25(EIM_DA1)
EIM_DA2: J508.76 R700.2 U1.L21(EIM_DA2)
EIM_DA3: J508.74 R699.2 U1.K24(EIM_DA3)
EIM_DA4: J508.72 R690.2 U1.L22(EIM_DA4)
EIM_DA5: J508.70 R691.2 U1.L23(EIM_DA5)
EIM_DA6: J508.68 R692.2 U1.K25(EIM_DA6)
EIM_DA7: R693.2 R722.1 U1.L25(EIM_DA7)
EIM_DA8: J508.64 R120.2 R698.2 U1.L24(EIM_DA8)
EIM_DA9: J508.62 R171.2 R697.2 U1.M21(EIM_DA9)
EIM_DA10: J508.116 R696.2 U1.M22(EIM_DA10)
EIM_DA11: J508.114 R686.2 U1.M20(EIM_DA11)
EIM_DA12: J508.110 R687.2 U1.M24(EIM_DA12)
EIM_DA13: J508.105 R133.2 R688.2 U1.M23(EIM_DA13)
EIM_DA14: J508.107 R121.2 R689.2 U1.N23(EIM_DA14)
EIM_DA15: J508.59 R167.2 R217.2 R695.2 U1.N24(EIM_DA15)
EIM_EB0: J508.84 R124.2 R703.2 U1.K21(EIM_EB0)
EIM_EB1: J508.82 R678.2 U1.K23(EIM_EB1)
EIM_EB2: J508.46 R219.2 R680.2 U1.E22(EIM_EB2)
EIM_EB3: R136.2 R681.2 U1.F23(EIM_EB3)
EIM_LBA: J508.44 R704.2 U1.K22(EIM_LBA)
EIM_OE: J508.37 U1.J24(EIM_OE)
EIM_RW: J508.120 R679.2 U1.K20(EIM_RW)
EIM_WAIT: R132.2 R705.2 U1.M25(EIM_WAIT)
EMMC_3V3: C23.1 C25.1 C26.1 SH11.2 U512.M6(VCC1) U512.N5(VCC2) U512.T10(VCC3) U512.U9(VCC4)
EMMC_VDDI: C27.1 U512.K2(VDDI)
EMMCIO_3V3: C19.1 C20.1 C21.1 C22.1 SH8.2 U512.AA3(VCCQ1) U512.AA5(VCCQ2) U512.K6(VCCQ3) U512.W4(VCCQ4) U512.Y4(VCCQ5)
ENET_REF_CLK: C726.1 R626.2
ENET_REFCLK: C726.2 R623.2 R624.1 U1.V22(ENET_REF_CLK)
EPD_PWR: J508.11 J508.13 J508.39 J508.41 SH26.2
EPDC_CS0: J504.81 R583.3
EPDC_CSP1_CLK: J504.89 R590.3
EPDC_I2C3_SCL: J508.31 R204.2
EPDC_I2C3_SDA: J508.29 R205.2
EPDC_MISO: J504.85 R584.3
EPDC_MOSI: J504.87 R586.3
EPDC_RST_B: J504.33 R115.2
EPDC_SDCE3: J508.66 R722.2
ETH_3V3: C97.1 C99.1 C719.1 C729.1 L18.1 R112.1 R161.1 R163.1 R164.1 R542.1 R623.1 R629.1 R639.1 R657.1 SH24.2 U1.R19(NVCC_ENET) U516.4(VDD33)
ETH_AVDD33: C88.1 C92.1 L18.2 U516.16(AVDD33)
ETH_AVDDL: C89.1 C90.1 C95.1 C98.1 L16.2 U516.8(AVDDL1) U516.13(AVDDL3) U516.19(AVDDL4) U516.44(AVDDL2)
ETH_LX: L19.1 U516.3(LX)
ETH_RBIAS: R166.1 U516.9(RBIAS)
ETH_SD: R654.2 U516.41(SD)
ETH_VDDIO_REG: C84.1 C85.1 R636.1 R638.1 SH23.1 U516.29(VDDIO_REG)
ETH_WOL_INT: R164.2 U1.V21(ENET_TX_EN) U516.40(WOL_INT)
GEN_1V8: C50.1 C94.1 C103.1 C104.1 C585.1 C588.1 C641.1 C767.1 J5.4(P4) J5.38(P38) J9.4(P4) J9.38(P38) J504.1 J504.17 J504.19 J504.25 J508.1 J508.17 J508.19 J508.25 Q5.2(SOURCE) Q505.2(SOURCE) R26.1 R45.1 R104.1 R156.1 R162.1 R183.1 R189.1 R694.1 SH9.1 SH501.1 U10.3(VCCA) U15.6(VCCB) U514.1(VCCA) U519.8(VCC)
GEN_2V5: R46.1 R47.1 R50.1 R85.2 R87.1 R600.1 SH503.2
GEN_3V3: C83.1 C123.1 C124.1 C129.1 C130.1 C557.1 C562.1 C602.1 C603.1 C622.1 C631.1 C744.1 C746.1 C753.1 C761.1 C763.1 D3.A(ANODE) D504.A(ANODE) J11.2 J11.4 J13.14 J13.15 J502.2 J502.3 J502.4 J503.2 J503.3 J503.4 J507.4(VDD) J508.45 J508.47 J508.49 Q3.2(SOURCE) Q509.2(SOURCE) R19.1 R20.1 R28.1 R77.1 R149.1 R150.1 R152.1 R165.1 R169.1 R170.1 R178.2 R179.2 R512.1 R532.1 R533.1 R536.1 R539.1 R554.1 R560.1 R562.1 R567.1 R574.1 R579.1 R595.1 R601.1 R603.1 R606.1 R607.1 R611.1 R612.1 R614.1 R616.1 R625.1 R643.1 R645.1 R647.1 R666.1 R670.1 R674.1 R675.1 R712.1 R713.1 R714.1 R715.1 R716.1 R717.1 R718.1 R719.1 R727.1 SH3.1 SH4.1 SH5.2 SH8.1 SH11.1 SH502.1 SW6.9 SW6.10 SW6.11 SW6.12 SW6.13 SW6.14 SW6.15 SW6.16 U8.27(VIN2) U8.55(VDDIO) U10.7(VCCB) U13.5(VCC) U14.8(VCC) U15.1(VCCA) U16.2(LV_SUPPLY) U507.5(VCC) U508.4(V_IN_R1) U513.5(VCC) U514.6(VCCB) U517.6(VCCB)
GEN_FB: SH4.2 U8.25(SW2FB)
GPANAIO: U1.C8(GPANAIO)
GPIO_0_CLKO: J11.33 J504.63 U1.T5(GPIO_0) U15.2(A)
GPS_1V5: Q519.3(DRAIN) R672.1
GPS_1V5_ON: Q517.3(DRAIN) Q519.1(GATE) R669.2
GPS_3V15: L22.1 Q518.3(DRAIN) R671.1 R673.1
GPS_3V15_ON: Q516.3(DRAIN) Q518.1(GATE) R668.2
GPS_MODE: TP20.1(PIN1) U19.17(NC10)
GPS_PPS: R129.1 R186.2
GPS_PPS1: R186.1 U19.20(1PPS)
GPS_PWREN: Q516.1(GATE) Q517.1(GATE) R131.1 R664.1
GPS_RESET_B: R124.1 R671.2 U19.13(R\E\S\E\T\)
GPS_RFIN: C115.2 U19.1(RFIN)
GPS_RFIN_3V15: C118.1 L22.2 L23.1
GPS_RFIN_CON: C115.1 J12.1(CENTER) L23.2
GPS_RXD: R192.2 U19.30(TX)
GPS_TXD: R194.2 U19.31(RX)
GPS_VBAT: C765.1 R672.2 U19.5(V_BCKP)
GPS_VDD: C764.1 R673.2 U19.11(VCC)
H_CLK_OUT: J8.15(I2C_CLK) R650.2
H_DAT_OUT: J8.16(I2C_DATA) R648.2
HDMI_5V_OUT: C745.1 J8.18(+5V) R649.2 R651.2 U16.38(5V_OUT)
HDMI_CEC_IN: R647.2 R652.2 R653.2 U16.16(CE_REMOTE_IN)
HDMI_CEC_OUT: J8.13(CEC) R655.1 U16.23(CE_REMOTE_OUT)
HDMI_CHASSIS: C738.2 J8.G1(SHELL1) J8.G2(SHELL2) J8.G3(SHELL3) J8.G4(SHELL4) R630.2
HDMI_CLKM: J8.12(CK-) U1.J5(HDMI_CLKM) U16.15(TMDS_CK-_15) U16.24(TMDS_CK-_24)
HDMI_CLKP: J8.10(CK+) U1.J6(HDMI_CLKP) U16.13(TMDS_CK+_13) U16.26(TMDS_CK+_26)
HDMI_D0M: J8.9(D0-) U1.K5(HDMI_D0M) U16.12(TMDS_D0-_12) U16.27(TMDS_D0-_27)
HDMI_D0P: J8.7(D0+) U1.K6(HDMI_D0P) U16.10(TMDS_D0+_10) U16.29(TMDS_D0+_29)
HDMI_D1M: J8.6(D1-) U1.J3(HDMI_D1M) U16.9(TMDS_D1-_9) U16.30(TMDS_D1-_30)
HDMI_D1P: J8.4(D1+) U1.J4(HDMI_D1P) U16.7(TMDS_D1+_7) U16.32(TMDS_D1+_32)
HDMI_D2M: J8.3(D2-) U1.K3(HDMI_D2M) U16.6(TMDS_D2-_6) U16.33(TMDS_D2-_33)
HDMI_D2P: J8.1(D2+) U1.K4(HDMI_D2P) U16.4(TMDS_D2+_4) U16.35(TMDS_D2+_35)
HDMI_DDC_CLK_IN: R154.2 R219.1 U16.17(DDC_CLK_IN)
HDMI_DDC_CLK_OUT: R650.1 R651.1 U16.22(DDC_CLK_OUT)
HDMI_DDC_DAT_IN: R153.2 R218.1 U16.18(DDC_DAT_IN)
HDMI_DDC_DAT_OUT: R648.1 R649.1 U16.21(DDC_DAT_OUT)
HDMI_DDCCEC: R653.1 R656.1 U1.K2(HDMI_DDCCEC)
HDMI_ESD: C749.1 U16.37(ESD_BYP)
HDMI_GND: J8.17(GND) SH504.2
HDMI_HPD: C87.1 R152.2 U1.K1(HDMI_HPD) U16.19(HOTPLUG_DET_IN)
HDMI_RESREF: R37.1 U1.J1(HDMI_REF)
HDMI_VP: C609.1 C638.1 R48.2 U1.L7(HDMI_VP)
HDMI_VPH: C610.1 C625.1 R46.2 U1.M7(HDMI_VPH)
HEADPHONE_DET: J2.6 R553.1 R554.2 TVS502.2(A2)
HP_DET_OUT: C86.1 J8.19(HOT_PLUG_DET) R151.1 U16.20(HOTPLUG_DET_OUT)
HP_L: J2.4 L505.2 TVS501.2(A2)
HP_R: J2.1 L504.2 TVS500.2(A2)
HPOUTL: C534.1 L505.1 R541.1 R545.1 U7.B5(HPOUTL)
HPOUTL_CAP: C534.2 R552.1
HPOUTR: C519.1 L504.1 R526.1 R529.1 U7.A5(HPOUTR)
HPOUTR_CAP: C519.2 R525.1
I2C1_SCL: R12.1 R181.1 R187.1 R189.2 U1.N5(CSI0_DAT9)
I2C1_SDA: R11.1 R182.1 R183.2 R193.1 U1.N6(CSI0_DAT8)
I2C2_SCL: R53.1 R116.1 R154.1 R170.2 R172.1 R173.1 R174.1 R306.1 R622.1 U1.U5(KEY_COL3)
I2C2_SDA: R39.1 R117.1 R153.1 R169.2 R175.1 R176.1 R177.1 R550.1 R621.1 U1.T7(KEY_ROW3)
I2C3_SCL: R63.1 R172.3 R173.3 R174.3 R179.1 R188.1 R198.1 R202.1 R204.1 R521.1 R580.1 U1.R7(GPIO_3)
I2C3_SDA: R23.1 R71.1 R175.3 R176.3 R177.3 R178.1 R190.1 R200.1 R203.1 R205.1 R517.1 U1.T3(GPIO_6)
IMX_PWR_B: Q514.1(GATE) Q515.3(DRAIN) R644.2
IMX_PWR_CNTL: Q515.1(GATE) R645.2
IN1R: C540.1 U7.D4(IN1R)
JTAG_DACK: J6.19 R613.1
JTAG_DE: J6.17 R612.2
JTAG_MOD: R593.1 U1.H6(JTAG_MOD)
JTAG_NSRST: J6.15 R595.2 U513.1(O\E\)
